# KiCad board TRS80_Model_I_Jap20_E1.kicad_pcb (continued)
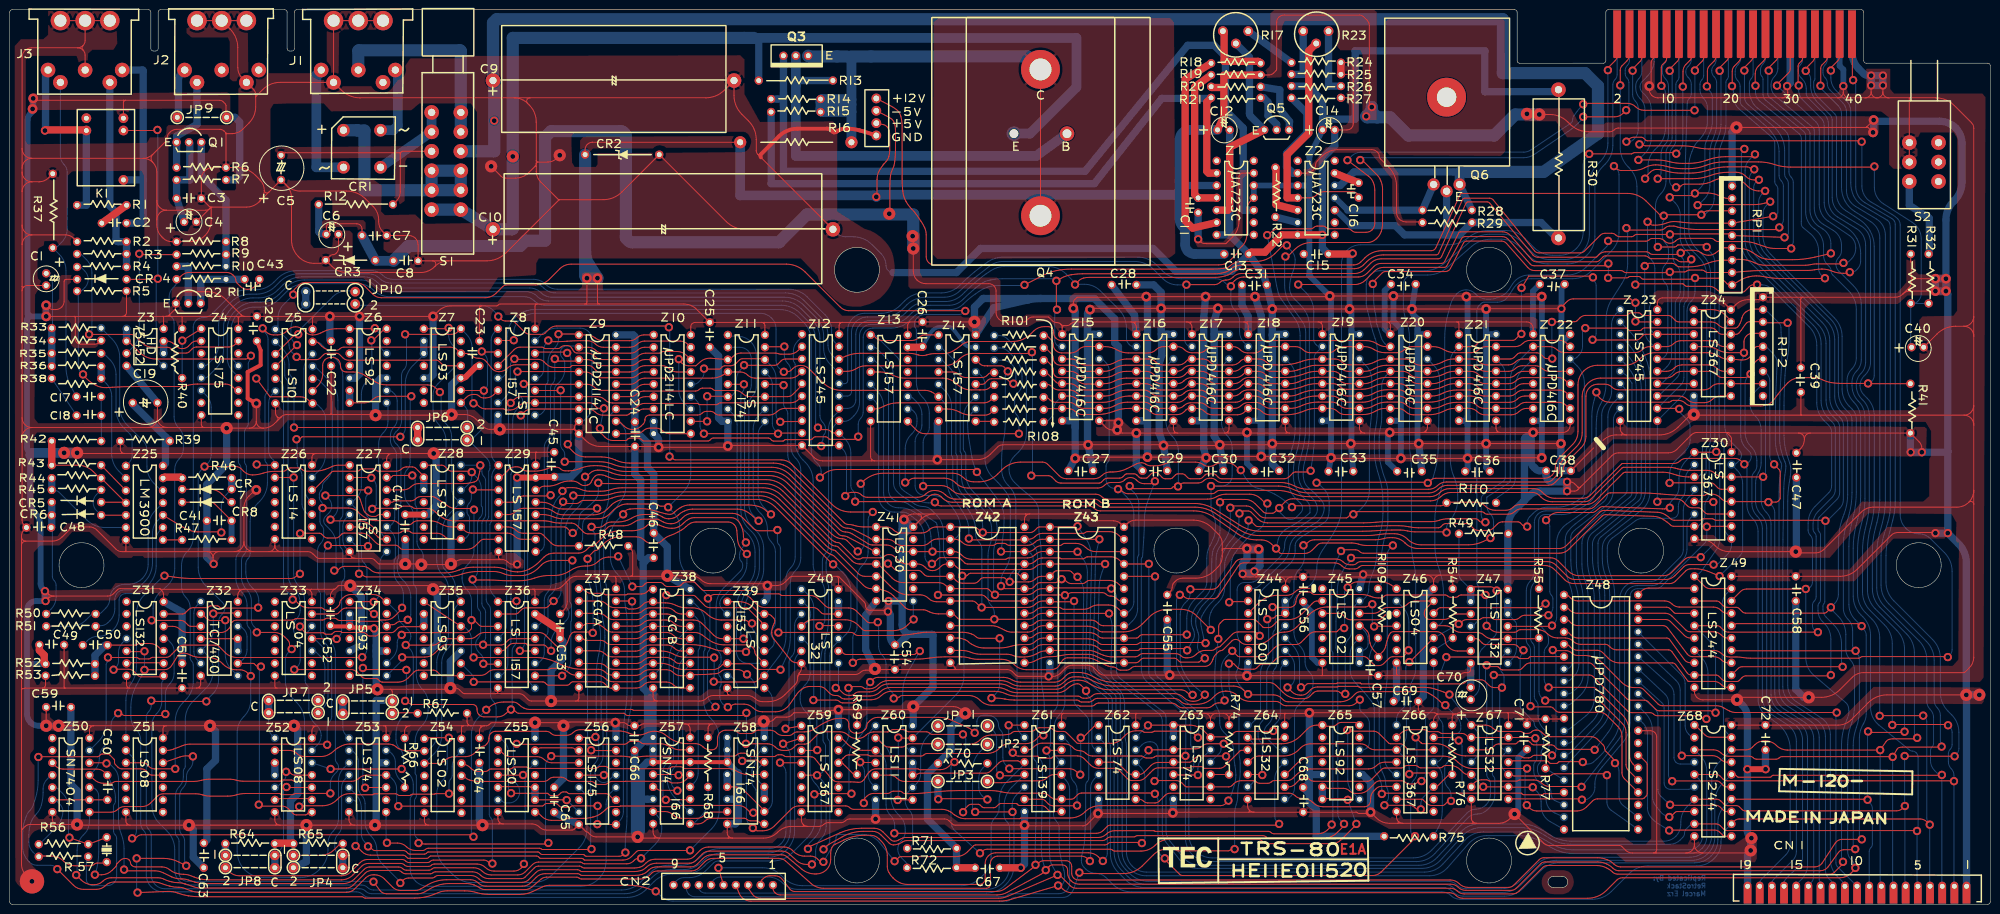
[diagram p0: board, top side]
## Routing (per net, layer and track width the routed paths; a pad name or vN(x,y) marks a point on that pad's centre or on a via; arc(x,y) is an arc through that point) (continued)
Net-(Z15-~{CAS}): length 115.1
  Top w0.2: 212.47,117.11 212.74,117.11 arc(212.98,117.06) 213.19,116.92 214.01,116.11 arc(214.34,115.62) 214.45,115.04 arc(214.56,114.47) 214.89,113.98 214.96,113.91 arc(215.52,113.54) 216.18,113.4 218.04,113.4 arc(218.9,113.58) 219.63,114.06 arc(220.36,114.55) 221.23,114.73 223.86,114.73 arc(223.87,114.72) 223.89,114.71 arc(223.9,114.7) 223.92,114.7 225.18,114.7 arc(226.39,114.54) 227.52,114.05 arc(228.64,113.57) 229.86,113.4 233.98,113.4 arc(234.83,113.57) 235.54,114.05 arc(236.26,114.53) 237.11,114.7 239.96,114.7 arc(240.73,114.55) 241.37,114.12 241.43,114.06 arc(242.13,113.6) 242.96,113.43 244.34,113.43 arc(245.17,113.6) 245.87,114.06 arc(246.57,114.53) 247.4,114.7 Z17.15 251.39,114.7 arc(252.16,114.55) 252.8,114.12 252.87,114.05 arc(253.59,113.57) 254.43,113.4 255.7,113.4 arc(256.54,113.57) 257.26,114.05 arc(257.98,114.53) 258.83,114.7 Z18.15 264.24,114.7 arc(265.06,114.54) 265.75,114.08 arc(266.43,113.62) 267.25,113.46 270.97,113.46 arc(271.79,113.62) 272.48,114.08 arc(273.17,114.54) 273.98,114.7 Z19.15 278.38,114.7 arc(279.36,114.56) 280.26,114.17 280.41,114.08 arc(281.47,113.61) 282.62,113.46 285.1,113.46 arc(285.91,113.62) 286.6,114.08 arc(287.29,114.54) 288.1,114.7 Z20.15 292.48,114.7 arc(293.58,114.55) 294.61,114.13 294.7,114.08 arc(295.82,113.61) 297.03,113.46 300.34,113.46 arc(301.15,113.62) 301.84,114.08 arc(302.53,114.54) 303.34,114.7 Z21.15 309.34,114.7 arc(310.19,114.87) 310.91,115.35 arc(311.62,115.83) 312.47,116 318.46,116 arc(319.31,115.83) 320.03,115.35 Z22.15
Net-(Z15-~{RAS}): length 147.1
  Top w0.2: Z15.4 217.98,109.62 arc(218.83,109.45) 219.54,108.97 arc(220.26,108.49) 221.11,108.32 224.8,108.32 arc(226.01,108.49) 227.14,108.97 arc(228.26,109.46) 229.48,109.62 Z16.4 233.54,109.62 arc(234.37,109.45) 235.07,108.98 arc(235.78,108.52) 236.61,108.35 240.02,108.35 arc(240.85,108.52) 241.55,108.98 241.92,109.35 arc(242.22,109.55) 242.57,109.62 Z17.4 244.9,109.62 arc(245.75,109.45) 246.47,108.97 arc(247.18,108.49) 248.03,108.32 251.86,108.32 arc(252.71,108.49) 253.43,108.97 253.92,109.47 arc(254.09,109.58) 254.29,109.62 Z18.4 256.5,109.62 arc(257.33,109.45) 258.04,108.98 arc(258.74,108.52) 259.57,108.35 262.02,108.35 arc(263.88,108.51) 265.68,108.99 266.38,109.24 arc(267.48,109.52) 268.6,109.62 Z19.4 271.89,109.62 arc(272.7,109.46) 273.39,109 arc(274.08,108.54) 274.89,108.38 277.79,108.38 arc(279.11,108.53) 280.35,109 280.6,109.13 arc(281.59,109.49) 282.64,109.62 Z20.4 286.26,109.62 arc(287.08,109.46) 287.77,109 arc(288.46,108.54) 289.27,108.38 291.77,108.38 arc(293.21,108.53) 294.57,109 295.04,109.22 arc(295.93,109.52) 296.86,109.62 Z21.4 300.25,109.62 arc(301.1,109.45) 301.81,108.97 arc(302.53,108.49) 303.38,108.32 307.97,108.32 arc(308.82,108.49) 309.54,108.97 arc(310.25,109.45) 311.1,109.62 Z22.4
  Bottom w0.2: R109.1 281.49,65.23 arc(281.73,65.59) 281.81,66 281.81,70.03 arc(281.89,71.77) 282.13,73.49 282.2,73.9 arc(282.48,75.19) 282.83,76.47 arc(283.11,77.76) 283.21,79.07 283.21,84.63 arc(283.08,85.97) 282.71,87.27 arc(282.25,88.56) 281.88,89.88 281.82,90.13 arc(281.53,91.72) 281.43,93.34 281.43,96 arc(281.49,97.04) 281.68,98.06 arc(281.87,99.09) 281.94,100.13 281.94,106.58 arc(282.17,107.75) 282.83,108.73 Z20.4
Net-(Z15-~{WR}): length 133.6
  Top w0.2: Z22.3 310.89,112.16 arc(310.1,112) 309.42,111.55 arc(308.75,111.1) 307.95,110.94 303.53,110.94 arc(302.73,111.1) 302.05,111.55 arc(301.38,112) 300.58,112.16 Z21.3 296.73,112.16 arc(295.68,112.04) 294.69,111.67 294.38,111.51 arc(293.07,111.03) 291.69,110.86 289.92,110.86 arc(289.07,111.03) 288.35,111.51 arc(287.63,111.99) 286.79,112.16 Z20.3 282.7,112.16 arc(281.71,112.04) 280.78,111.69 280.54,111.56 arc(279.36,111.12) 278.11,110.97 275.19,110.97 arc(274.41,111.12) 273.75,111.56 arc(273.09,112) 272.31,112.16 Z19.3 268.35,112.16 arc(266.97,112.05) 265.63,111.71 265.17,111.55 arc(263.37,111.09) 261.52,110.94 259.66,110.94 arc(258.86,111.1) 258.19,111.55 arc(257.51,112) 256.72,112.16 Z18.3 253.92,112.16 arc(253.38,112.05) 252.92,111.75 252.72,111.54 arc(252.03,111.08) 251.21,110.92 248.15,110.92 arc(247.33,111.08) 246.64,111.54 arc(245.96,112) 245.14,112.16 Z17.3 242.59,112.16 arc(242.26,112.09) 241.99,111.91 241.62,111.54 arc(240.93,111.08) 240.11,110.92 237.02,110.92 arc(236.21,111.08) 235.52,111.54 arc(234.83,112) 234.02,112.16 Z16.3 229.6,112.16 arc(228.39,112) 227.26,111.53 arc(226.14,111.05) 224.93,110.89 221.16,110.89 arc(220.34,111.06) 219.63,111.53 arc(218.93,111.99) 218.1,112.16 Z15.3
  Bottom w0.2: Z22.3 310.96,110.07 arc(309.78,108.31) 309.37,106.22 309.37,87.4 arc(309.12,86.38) 308.43,85.59 305.8,83.72 arc(305.53,83.41) 305.43,83.01 R110.1
Net-(Z25A-+): length 26
  Bottom w0.2: Z25.1 24.51,90.82 arc(24.98,91.53) 25.14,92.36 25.14,95.65 arc(25.03,96.24) 24.7,96.73 23.44,97.99 arc(22.26,99.76) 21.84,101.84 21.84,108.97 arc(21.51,110.63) 20.57,112.03 19.48,113.12 arc(19.28,113.26) 19.05,113.3 R35.2
Net-(Z25A--): length 20.6
  Bottom w0.2: Z25.6 19.65,77.49 arc(17.57,77.9) 15.8,79.08 10.14,84.75 arc(9.74,85.02) 9.27,85.11 8.85,85.11 arc(8.77,85.13) 8.7,85.17
  Bottom w1.5: R44.2 8.63,85.33 arc(8.65,85.24) 8.7,85.17
Net-(Z25B-+): length 24.7
  Bottom w0.2: R38.2 19.87,107.08 arc(20.67,105.88) 20.95,104.47 20.95,92.64 arc(21.33,90.73) 22.41,89.11 Z25.2
  Bottom w1.5: R38.2 R36.1
Net-(Z25B--): length 7.3
  Top w0.2: R43.2 Z25.3
Net-(Z25C-+): length 4.1
  Top w1.5: Z25.13 31.6,87.75 arc(31.71,87.83) 31.84,87.85 35.08,87.85 arc(35.22,87.83) 35.33,87.75 35.43,87.65
Net-(Z25C--): length 3.9
  Top w0.2: Z25.8 35.43,74.95
Net-(Z25D-+): length 38.1
  Bottom w0.2: Z25.12 31.3,85.11 arc(31.13,85.14) 30.98,85.24 29.65,86.57 arc(28.57,88.19) 28.19,90.1 28.19,93.44 arc(28,94.43) 27.44,95.26 24.2,98.5 arc(23.02,100.27) 22.6,102.35 22.6,112.45 arc(22.19,114.53) 21.01,116.29 R33.2
Net-(Z25D--): length 41.3
  Bottom w0.2: R51.1 12.55,57.17 arc(14.21,57.5) 15.62,58.44 16.62,59.44 arc(16.92,59.64) 17.27,59.71 18.1,59.71 arc(18.51,59.79) 18.85,60.02 19.76,60.93 arc(20.36,61.83) 20.57,62.88 arc(20.78,63.94) 21.38,64.84 21.46,64.92 arc(22.45,65.57) 23.61,65.81 24.33,65.81 arc(25.9,66.12) 27.24,67.01 arc(28.13,68.35) 28.45,69.92 28.45,77.37 arc(28.84,79.36) 29.97,81.04 Z25.11
Net-(Z25E-V+): length 18
  Bottom w1.5: 31.75,90.44 Z25.14 32,90.69 32,96 32.08,96.08 ; 32.08,96.08 R39.1 ; 32.08,96.08 25.27,102.89 C19.2 ; 32.8,95.18 arc(32.87,95.28) 32.89,95.4 arc(32.87,95.51) 32.8,95.61
Net-(Z26-Pad1): length 19.9
  Top w0.2: v2(50.75,90.47) 50.82,90.39 arc(50.91,90.34) 51.01,90.32 Z26.1
  Bottom w0.2: Z5.6 53.91,104.86 arc(53.39,104.08) 53.21,103.17 53.21,93.25 arc(53.38,92.42) 53.85,91.71 54.21,91.35 arc(54.41,91.05) 54.48,90.7 Z26.1
Net-(Z26-Pad11): length 31.6
  Bottom w0.2: Z5.12 61.34,112.29 arc(60.68,111.3) 60.45,110.14 60.45,89.99 arc(60.48,89.82) 60.58,89.68 arc(60.67,89.54) 60.7,89.37 60.7,85.08 arc(60.89,84.17) 61.4,83.39 Z26.11
Net-(Z26-Pad13): length 31.5
  Top w0.2: Z5.8 62.14,103.02 arc(62.06,103.03) 61.99,103.08 61.36,103.7 arc(60.6,104.21) 59.71,104.39 53.51,104.39 arc(53.49,104.39) 53.48,104.4 arc(53.47,104.41) 53.45,104.43 v2(50.67,108.15)
  Bottom w0.2: Z26.13 63.5,89.17 arc(64.53,90.72) 64.9,92.55 64.9,99.76 arc(64.65,101.01) 63.94,102.06 63.26,102.75 arc(62.96,102.95) 62.61,103.02 Z5.8
Net-(Z27-I0c): length 100.8
  Top w0.2: Z31.12 33.49,57.17 arc(34.32,57) 35.02,56.53 arc(35.73,56.06) 36.56,55.9 43.41,55.9 arc(44.16,56.05) 44.79,56.47 45.12,56.8 arc(45.3,57.07) 45.36,57.38 arc(45.43,57.7) 45.6,57.97 45.72,58.08 arc(46.11,58.35) 46.58,58.44 58.1,58.44 arc(58.3,58.48) 58.47,58.59 arc(58.64,58.7) 58.84,58.74 60.53,58.74 arc(60.71,58.71) 60.87,58.6 arc(61.02,58.5) 61.21,58.46 64.3,58.46 arc(64.54,58.51) 64.76,58.65 arc(64.97,58.8) 65.22,58.85 66.69,58.85 arc(67,58.78) 67.27,58.6 arc(67.54,58.43) 67.85,58.36 71.26,58.36 arc(71.36,58.34) 71.45,58.29 arc(71.53,58.23) 71.63,58.21 75.66,58.21 arc(75.83,58.24) 75.97,58.34 arc(76.11,58.43) 76.28,58.46 77.2,58.46 arc(78.22,58.67) 79.09,59.25 80.55,60.7 arc(80.6,60.78) 80.62,60.88 v2(80.62,60.98)
  Bottom w0.2: v2(80.62,60.98) 80.76,61.12 arc(80.86,61.27) 80.9,61.46 80.9,63.7 arc(80.65,64.94) 79.94,66 arc(79.24,67.05) 78.99,68.3 78.99,70.58 arc(79.03,70.74) 79.12,70.88 arc(79.21,71.03) 79.25,71.19 79.25,74.58 arc(79.01,75.74) 78.36,76.73 77.65,77.44 arc(77.62,77.55) 77.72,77.62 arc(77.96,77.66) 78.16,77.8 78.55,78.19 arc(78.97,78.82) 79.12,79.57 79.12,81.79 arc(79.17,82.04) 79.31,82.25 arc(79.45,82.46) 79.5,82.71 79.5,92.34 arc(79.33,93.17) 78.87,93.87 arc(78.4,94.58) 78.23,95.41 78.23,96.44 arc(78.41,97.35) 78.93,98.13 arc(79.45,98.9) 79.63,99.81 79.63,103.51 arc(79.46,104.34) 78.99,105.05 78.67,105.37 arc(78.32,105.6) 77.91,105.68 Z6.9
Net-(Z27-I1b): length 37.6
  Top w0.2: Z27.10 76.81,75.08 arc(76.2,75.2) 75.68,75.54 74.88,76.35 arc(73.47,77.29) 71.81,77.62 Z27.6
  Bottom w0.2: Z6.8 77.59,103.02 arc(77.69,102.88) 77.72,102.71 77.72,99.28 arc(77.47,98.04) 76.77,96.98 arc(76.06,95.93) 75.82,94.68 75.82,89.06 arc(75.87,88.81) 76.01,88.6 arc(76.15,88.39) 76.2,88.14 76.2,77.24 arc(76.36,76.41) 76.83,75.71 Z27.10
Net-(Z28-R0(1)): length 28.6
  Top w0.2: Z28.2 85.09,87.9 arc(85.06,88.02) 85,88.12 83.43,89.68 arc(83.13,89.89) 82.77,89.96 81.55,89.96 arc(80.97,89.84) 80.48,89.52 arc(79.99,89.19) 79.4,89.07 75.83,89.07 arc(75.51,89.13) 75.25,89.31 arc(74.98,89.49) 74.66,89.55 72.5,89.55 arc(72.19,89.49) 71.92,89.31 arc(71.65,89.13) 71.34,89.07 66.59,89.07 arc(66.34,89.02) 66.12,88.88 62.62,85.37 arc(62.47,85.27) 62.29,85.24 Z26.12
  Bottom w1.5: Z28.2 Z28.3
Net-(Z29-I1b): length 40.1
  Top w0.2: Z29.6 102.41,77.62 arc(103.26,77.45) 103.97,76.97 arc(104.69,76.49) 105.54,76.32 108.74,76.32 arc(109.21,76.23) 109.6,75.97 111.26,74.31 arc(111.9,73.88) 112.65,73.73 116.88,73.73 arc(116.91,73.72) 116.94,73.7 R48.2 ; v2(120.7,81.43) 120.64,81.36 arc(120.56,81.32) 120.48,81.3 113.71,81.3 arc(112.58,81.48) 111.55,82 arc(110.53,82.52) 109.4,82.7 Z29.13
  Bottom w0.2: R48.2 116.97,73.81 arc(116.99,73.92) 117.05,74.02 117.35,74.31 arc(117.63,74.74) 117.73,75.23 117.73,77.79 arc(117.76,78.25) 117.85,78.7 arc(118.05,79.09) 118.36,79.4 119.72,80.35 arc(120.06,80.62) 120.39,80.91 120.63,81.15 arc(120.68,81.23) 120.7,81.32 v2(120.7,81.43)
Net-(Z31-Pad4): length 211.6
  Top w0.2: Z31.8 31.48,46.87 arc(31.38,46.8) 31.27,46.78 27.02,46.78 arc(26.67,46.85) 26.38,47.05 25.59,47.83 arc(25.01,48.22) 24.33,48.36 21.51,48.36 arc(21.44,48.34) 21.38,48.3 v2(21.33,48.25) ; Z59.4 158.33,29.1 arc(158.32,29.11) 158.3,29.11 v2(158.29,29.13)
  Bottom w0.2: v2(158.29,29.13) 158.9,28.52 arc(159.35,27.84) 159.51,27.05 159.51,14.92 arc(159.25,13.59) 158.49,12.47 arc(157.37,11.71) 156.04,11.45 145.89,11.45 arc(143.81,11.03) 142.04,9.86 141.8,9.61 arc(140.03,8.43) 137.95,8.02 135.35,8.02 arc(133.27,7.61) 131.5,6.43 129.61,4.53 arc(127.84,3.35) 125.76,2.94 74.76,2.94 arc(74.09,3.07) 73.53,3.45 arc(72.97,3.82) 72.3,3.96 36.94,3.96 arc(35.78,4.19) 34.8,4.84 arc(34.14,5.83) 33.91,6.99 33.91,11.23 arc(33.49,13.31) 32.31,15.07 30.8,16.59 arc(29.62,18.35) 29.21,20.43 29.21,36.81 arc(29.47,38.14) 30.22,39.26 arc(30.98,40.39) 31.24,41.71 31.24,45.47 arc(31.29,45.72) 31.43,45.93 arc(31.57,46.14) 31.62,46.39 Z31.8 ; v2(21.33,48.25) 21.84,48.76 arc(22.22,49.32) 22.35,49.99 22.35,51.81 arc(22.56,52.89) 23.18,53.8 Z31.4
Net-(Z31-Pad6): length 7.7
  Top w0.2: Z31.6 24.5,49.55 arc(24.58,49.57) 24.65,49.61 arc(24.72,49.66) 24.8,49.68 31.4,49.68 arc(31.49,49.66) 31.56,49.61 Z31.9
Net-(Z32-Pad1): length 13.7
  Bottom w0.2: Z32.6 38.54,50.25 arc(38.03,51.02) 37.84,51.93 37.84,59.86 arc(38.03,60.78) 38.54,61.55 Z32.1
Net-(Z32-Pad2): length 17.9
  Top w0.2: v2(44.3,58.44) 44.26,58.4 arc(44.22,58.37) 44.17,58.36 41.44,58.36 arc(40.91,58.47) 40.46,58.77 39.62,59.61 arc(39.51,59.68) 39.38,59.71 Z32.2
  Bottom w0.2: v2(44.3,58.44) 44.3,51.39 arc(44.63,49.71) 45.58,48.29 Z32.8
Net-(Z32-Pad10): length 10.2
  Top w0.2: Z32.4 Z32.11
  Bottom w1.5: Z32.11 Z32.10
Net-(Z32-Pad12): length 54.8
  Top w0.2: Z52.8 61.77,18.94 arc(61.54,18.9) 61.34,18.76 61.06,18.48 arc(60.95,18.41) 60.81,18.38 58.9,18.38 arc(58.55,18.45) 58.25,18.65 57.24,19.67 arc(56.66,20.05) 55.98,20.19 51.7,20.19 arc(51.5,20.23) 51.33,20.34 v2(51.18,20.49) ; Z32.9 50.06,49.55 arc(50.15,49.53) 50.24,49.47 50.57,49.14 arc(50.85,48.95) 51.18,48.89 v2(51.61,48.89)
  Bottom w0.2: Z32.12 47.18,57.17 arc(47.47,57.11) 47.72,56.94 48.13,56.53 arc(48.6,55.83) 48.77,55 48.77,52.37 arc(48.55,51.29) 47.94,50.37 47.2,49.64 arc(47.11,49.57) 46.99,49.55 Z32.9 ; v2(51.18,20.49) 51.24,20.55 arc(51.29,20.63) 51.31,20.71 51.31,48.37 arc(51.35,48.57) 51.46,48.74 v2(51.61,48.89)
Net-(Z33-Pad12): length 27.6
  Bottom w0.2: Z33.12 62.1,57.04 arc(62.08,56.92) 62.01,56.83 61.4,56.22 arc(60.89,55.44) 60.7,54.53 60.7,46.02 arc(60.8,45.53) 61.09,45.1 arc(61.37,44.68) 61.47,44.18 61.47,40.17 arc(61.8,38.51) 62.74,37.1 63.2,36.64 arc(63.8,35.75) 64.01,34.69 arc(63.8,33.63) 63.2,32.74 Z52.13
Net-(Z35-R0(1)): length 65.3
  Top w0.2: Z35.3 85.05,57.13 arc(85.01,57.1) 84.96,57.09 80.48,57.09 arc(80.07,57.01) 79.72,56.78 79.11,56.17 arc(78.78,55.95) 78.4,55.87 76.32,55.87 arc(76.14,55.84) 75.98,55.73 75.64,55.39 arc(75.41,55.24) 75.15,55.19 73.92,55.19 arc(73.7,55.23) 73.52,55.35 73.16,55.71 arc(72.95,55.85) 72.7,55.9 68.3,55.9 arc(68.25,55.91) 68.21,55.94 68.1,56.05 arc(68.01,56.11) 67.91,56.13 67.1,56.13 arc(66.8,56.07) 66.55,55.9 66.25,55.61 arc(66.18,55.56) 66.1,55.54 64.94,55.54 arc(64.83,55.57) 64.73,55.63 64.58,55.78 arc(64.51,55.83) 64.42,55.85 61.1,55.85 arc(60.8,55.91) 60.55,56.08 59.68,56.95 arc(59.65,57) 59.64,57.05 v2(59.64,57.12) ; v2(58.34,87.8) 58.33,87.79 arc(58.32,87.78) 58.3,87.78 Z26.2
  Bottom w0.2: v2(59.64,57.12) 60.11,57.59 arc(60.45,58.11) 60.58,58.72 60.58,62.7 arc(60.29,64.16) 59.46,65.4 arc(58.63,66.64) 58.34,68.1 v2(58.34,87.8)
  Bottom w1.5: Z35.2 Z35.3
Net-(Z37-D0): length 45.1
  Top w0.2: 124.58,49.68 124.66,49.6 arc(124.75,49.54) 124.85,49.52 128.68,49.52 arc(129.51,49.69) 130.21,50.16 arc(130.91,50.63) 131.74,50.79 134.69,50.79 arc(135.36,50.7) 135.97,50.44 136.23,50.29 arc(136.55,50.08) 136.83,49.82 arc(137.14,49.62) 137.49,49.55 Z38.12 ; v2(137.46,26.56) 137.4,26.63 arc(137.33,26.67) 137.25,26.69 132.2,26.69
  Bottom w0.2: Z38.12 139.82,49.42 arc(139.8,49.3) 139.74,49.21 139.06,48.53 arc(138.5,47.69) 138.3,46.69 138.3,27.99 arc(138.19,27.45) 137.88,26.98 v2(137.46,26.56)
Net-(Z37-D1): length 51.7
  Top w0.2: v2(137.21,23.36) 137.17,23.4 arc(137.13,23.43) 137.08,23.44 133.8,23.44 arc(133.34,23.53) 132.94,23.79 132.72,24.01 arc(132.57,24.11) 132.4,24.15 Z57.5 ; 124.58,52.22 124.66,52.14 arc(124.75,52.08) 124.85,52.06 128.56,52.06 arc(129.39,52.23) 130.1,52.7 arc(130.8,53.17) 131.63,53.33 135.03,53.33 arc(135.85,53.17) 136.54,52.71 arc(137.22,52.25) 138.04,52.09 Z38.13
  Bottom w0.2: v2(137.21,23.36) 137.13,23.36 arc(137.06,23.38) 137,23.42 136.47,23.95 arc(136.04,24.59) 135.89,25.36 135.89,26.37 arc(136.09,27.37) 136.65,28.21 arc(137.21,29.06) 137.41,30.05 137.41,47.84 arc(137.73,49.42) 138.62,50.76 139.78,51.92 arc(139.81,51.97) 139.82,52.03 Z38.13
Net-(Z37-D2): length 54.9
  Top w0.2: Z38.14 138.02,54.63 arc(137.18,54.8) 136.46,55.28 arc(135.74,55.76) 134.9,55.92 131.62,55.92 arc(130.78,55.76) 130.06,55.28 arc(129.34,54.8) 128.5,54.63 124.8,54.63 arc(124.72,54.65) 124.65,54.69 124.58,54.76
  Bottom w0.2: 139.82,19.07 139.7,19.07 arc(139.58,19.09) 139.48,19.16 136.7,21.94 arc(135.53,23.68) 135.13,25.74 135.13,27.06 arc(135.29,27.89) 135.76,28.59 arc(136.23,29.3) 136.4,30.13 136.4,48.69 arc(136.81,50.77) 137.99,52.54 139.74,54.29 arc(139.8,54.38) 139.82,54.5 Z38.14
Net-(Z37-D3): length 58.8
  Top w0.2: 124.58,57.3 124.62,57.26 arc(124.67,57.23) 124.72,57.22 128.66,57.22 arc(129.47,57.38) 130.16,57.84 arc(130.85,58.3) 131.66,58.46 134.95,58.46 arc(135.79,58.3) 136.51,57.82 arc(137.23,57.34) 138.07,57.17 Z38.15 ; v2(134.82,21.48) 134.83,21.49 arc(134.85,21.5) 134.86,21.51 139.65,21.51 arc(139.72,21.52) 139.77,21.56 Z57.11
  Bottom w0.2: Z38.15 139.82,57.11 arc(139.81,57.05) 139.78,57 137.1,54.32 arc(135.92,52.55) 135.51,50.47 135.51,30.38 arc(135.34,29.55) 134.87,28.85 arc(134.4,28.14) 134.24,27.31 134.24,22.48 arc(134.31,22.1) 134.53,21.77 v2(134.82,21.48)
Net-(Z37-D4): length 53.1
  Top w0.2: 124.58,59.84 128.78,59.84 arc(129.53,59.98) 130.16,60.41 arc(130.79,60.83) 131.54,60.98 135.02,60.98 arc(135.85,60.81) 136.55,60.34 arc(137.25,59.87) 138.08,59.71 Z38.16
  Bottom w0.2: Z57.12 140.65,24.97 arc(141.26,25.89) 141.48,26.97 141.48,52.07 arc(141.53,52.32) 141.67,52.53 arc(141.81,52.74) 141.86,52.99 141.86,57.11 arc(141.66,58.1) 141.09,58.95 140.51,59.53 arc(140.31,59.66) 140.08,59.71 Z38.16
Net-(Z39-Za): length 32.5
  Top w0.2: v2(150.52,29.48) 150.61,29.57 arc(150.71,29.64) 150.82,29.66 153.47,29.66 arc(153.61,29.63) 153.72,29.56 153.93,29.34 arc(154.06,29.26) 154.21,29.23 Z58.14
  Bottom w0.2: v2(150.52,29.48) 150.52,29.6 arc(150.5,29.7) 150.44,29.79 150.06,30.17 arc(149.72,30.68) 149.6,31.27 149.6,44.41 arc(149.41,45.4) 148.84,46.25 148.3,46.78 arc(148.06,46.95) 147.76,47.01 Z39.7 ; Z58.12 154.04,25.17 arc(153.58,25.87) 153.41,26.69 arc(153.58,27.51) 154.04,28.21 Z58.14
  Bottom w1.5: Z58.12 Z58.11
Net-(Z39-Zb): length 39.1
  Top w0.2: Z58.5 148.82,24.15 arc(150.08,23.9) 151.16,23.18 154.99,19.34 arc(155.05,19.26) 155.06,19.17 155.06,19.07
  Bottom w0.2: 155.06,19.07 155.26,19.07 arc(155.43,19.1) 155.58,19.2 156.08,19.7 arc(156.55,20.41) 156.72,21.24 156.72,42.08 arc(156.53,43) 156.02,43.77 155.41,44.38 arc(155.31,44.45) 155.19,44.47 Z39.9
  Bottom w1.5: 147.44,26.69 Z58.5
Net-(Z40-Pad2): length 35.6
  Top w0.2: Z40.4 163.36,57.84 arc(164.1,58.34) 164.98,58.52 171.67,58.52 arc(173.13,58.22) 174.37,57.4 175.2,56.57 arc(175.52,56.36) 175.9,56.28 181.53,56.28 arc(182.36,56.35) 183.16,56.57 arc(183.9,56.94) 184.54,57.46 185.65,58.56 arc(185.67,58.58) 185.71,58.59 v2(185.75,58.59)
  Bottom w0.2: v2(185.75,58.59) 185.71,58.63 arc(185.68,58.67) 185.67,58.72 Z41.8 ; Z40.4 162.88,57.17 arc(163.05,57.2) 163.2,57.3 163.92,58.02 arc(164.41,58.77) 164.59,59.65 arc(164.41,60.53) 163.92,61.27 163.03,62.16 arc(162.93,62.23) 162.81,62.25 162.69,62.25
Net-(Z40-Pad9): length 39.5
  Top w0.2: Z40.9 170.71,52.09 arc(170.83,52.07) 170.93,52 171.28,51.64 arc(171.58,51.45) 171.93,51.38 185.82,51.38 arc(185.99,51.41) 186.13,51.5 186.61,51.98 arc(186.72,52.06) 186.87,52.09 v2(187.02,52.09)
  Bottom w0.2: 185.54,31.64 185.23,31.64 arc(184.93,31.7) 184.69,31.87 184.53,32.02 arc(184.25,32.45) 184.15,32.94 184.15,35 arc(184.07,35.42) 183.83,35.77 arc(183.6,36.12) 183.51,36.54 183.51,43.56 arc(183.8,45.79) 184.64,47.87 v2(187.02,52.09)
Net-(Z44-Pad3): length 28.1
  Top w0.2: 267.21,64.99 265.89,64.99 arc(264.95,64.8) 264.15,64.27 arc(263.34,63.73) 262.4,63.54 260.47,63.54 arc(258.39,63.13) 256.62,61.95 Z44.3 ; Z45.3 273.36,59.84 arc(273.61,59.79) 273.82,59.65 274.48,58.99 arc(275,58.64) 275.62,58.52 281.12,58.52 arc(281.62,58.61) 282.04,58.9 282.68,59.53
Net-(Z44-Pad11): length 29.2
  Bottom w0.2: Z44.11 261.24,56.41 arc(260.58,55.42) 260.35,54.26 260.35,49.33 arc(260.25,48.83) 259.97,48.41 arc(259.69,47.98) 259.59,47.49 259.59,39.25 arc(259.35,38.09) 258.7,37.1 258.35,36.75 arc(257.95,36.16) 257.81,35.45 arc(257.95,34.75) 258.35,34.15 260.28,32.22 arc(260.78,31.89) 261.36,31.77 Z64.12
Net-(Z45-Pad12): length 29.8
  Top w0.2: Z47.3 297.46,59.71 arc(296.73,59.56) 296.11,59.15 arc(295.49,58.74) 294.76,58.59 291.83,58.59 arc(291.4,58.68) 291.03,58.92 arc(290.79,59.29) 290.7,59.72 290.7,59.86 arc(290.81,60.42) 291.13,60.9 Z46.13 288.79,62.38 arc(287.93,62.2) 287.2,61.72 arc(286.46,61.23) 285.6,61.06 283.18,61.06 arc(282.38,60.9) 281.71,60.45 arc(281.03,59.99) 280.24,59.84 Z45.12
Net-(Z46-Pad2): length 370.6
  Top w0.2: v2(219.81,6.52) 219.91,6.42 arc(220.02,6.34) 220.16,6.32 228.91,6.32 arc(230.99,6.73) 232.76,7.91 235.03,10.18 arc(236.32,11.04) 237.84,11.35 239.24,11.35 arc(239.48,11.3) 239.67,11.17 arc(239.87,11.04) 240.1,10.99 250.39,10.99 arc(250.63,11.04) 250.82,11.17 arc(251.02,11.3) 251.25,11.35 v2(251.71,11.35) ; v2(26.08,9.44) 31.59,9.44 arc(33.23,9.25) 34.77,8.68 v2(36.27,7.92) ; v2(37.64,30.42) 36.74,30.51 arc(35.85,30.5) 34.98,30.31 Z51.12 ; 132.15,2.66 v2(132.76,2.66) 130.97,3.28 arc(129.16,3.75) 127.29,3.91 110.96,3.91 arc(110.18,3.82) 109.43,3.56 107.44,2.62 arc(106.16,2.18) 104.82,2.03 98.51,2.03 arc(97.24,2.12) 96,2.39 arc(94.75,2.67) 93.48,2.76 89.89,2.76 arc(88.99,2.68) 88.12,2.42 87.09,2.01 arc(85.18,1.45) 83.19,1.26 73.07,1.26 arc(72.89,1.3) 72.73,1.4 arc(72.58,1.51) 72.39,1.54 39.19,1.54 arc(37.97,1.59) 36.76,1.73 36.63,1.75 arc(35.57,1.98) 34.54,2.31 arc(33.51,2.58) 32.44,2.64 v2(26.26,2.41) ; v2(250.54,49.5) 251.44,49.5 arc(251.5,49.48) 251.56,49.45 252.32,48.69 arc(252.69,48.44) 253.12,48.36 255.61,48.36 arc(255.97,48.43) 256.28,48.63 256.82,49.17 arc(257.1,49.36) 257.43,49.42 258.86,49.42 arc(259.15,49.48) 259.41,49.65 260.18,50.43 arc(260.79,50.83) 261.5,50.97 278.14,50.97 arc(278.62,50.88) 279.03,50.6 280.47,49.16 arc(280.55,49.11) 280.64,49.09 281.34,49.09 arc(281.89,49.2) 282.36,49.51 283.44,50.59 arc(283.8,50.83) 284.23,50.92 285.99,50.92 arc(286.31,50.98) 286.57,51.16 287.38,51.97 arc(287.43,52.05) 287.45,52.14 v2(287.45,52.24)
  Bottom w0.2: v2(132.76,2.66) 132.81,2.66 arc(132.86,2.65) 132.9,2.62 133.87,1.66 arc(134.98,0.91) 136.29,0.65 204.82,0.65 arc(205.32,0.75) 205.74,1.03 arc(206.16,1.32) 206.66,1.42 216.49,1.42 arc(217.23,1.56) 217.87,1.99 arc(218.36,2.61) 218.7,3.32 v2(219.81,6.52) ; v2(37.64,30.42) 37.64,29.45 arc(37.47,28.59) 36.98,27.86 arc(36.49,27.13) 36.32,26.26 36.32,25.64 arc(36.14,24.73) 35.62,23.96 arc(35.1,23.18) 34.92,22.27 34.92,15.47 arc(35.06,14.81) 35.43,14.24 arc(35.81,13.68) 35.94,13.02 35.94,8.48 arc(35.98,8.27) 36.1,8.08 v2(36.27,7.92) ; v2(26.26,2.41) 26.17,2.5 arc(26.11,2.59) 26.08,2.71 v2(26.08,9.44) ; v2(287.45,52.24) 287.49,52.28 arc(287.52,52.32) 287.53,52.37 287.53,58.04 arc(287.2,59.7) 286.26,61.11 Z46.2 ; v2(251.71,11.35) 251.71,18.63 arc(251.79,19.56) 252.03,20.47 arc(252.27,21.37) 252.35,22.3 252.35,22.6 arc(252.41,23.76) 252.6,24.91 arc(252.79,26.06) 252.85,27.22 252.85,29.02 arc(252.82,29.61) 252.73,30.18 arc(252.63,30.76) 252.6,31.34 252.6,39.2 arc(252.45,40.36) 252,41.45 251.44,42.42 arc(251.39,42.5) 251.33,42.56 arc(251.27,42.63) 251.23,42.71 250.91,43.48 arc(250.63,44.36) 250.54,45.27 v2(250.54,49.5)
Net-(Z47-Pad12): length 14
  Bottom w0.2: Z47.8 308.74,50.44 arc(309.39,51.42) 309.62,52.58 309.62,57.54 arc(309.55,57.9) 309.35,58.21 Z47.12
  Bottom w1.5: Z47.12 307.85,62.25
Net-(Z48-~{HALT}): length 48.2
  Top w0.2: v2(311.07,52.27) 310.88,52.27 arc(310.71,52.3) 310.56,52.4 309.85,53.1 arc(309.51,53.33) 309.12,53.41 303.4,53.41 arc(302.96,53.5) 302.58,53.75 301.97,54.36 arc(301.67,54.56) 301.32,54.63 300.23,54.63
  Bottom w0.2: v2(311.07,52.27) 311.07,52.01 arc(311.03,51.78) 310.89,51.58 310.73,51.42 arc(310.48,51.04) 310.39,50.59 310.39,40.72 arc(310.44,40.43) 310.61,40.18 313.04,37.75 arc(313.24,37.45) 313.31,37.1 arc(313.38,36.75) 313.58,36.45 314.27,35.76 arc(314.97,34.72) 315.21,33.48 315.21,32.51 arc(315.15,32.18) 314.96,31.9 arc(314.77,31.61) 314.7,31.28 314.7,29.89 arc(314.6,29.4) 314.32,28.97 arc(314.04,28.55) 313.94,28.06 313.94,27.71 arc(314.11,26.88) 314.57,26.19 315.93,24.83 arc(316.53,23.93) 316.74,22.88 316.74,22.69 arc(316.75,22.5) 316.8,22.32 316.9,22.03 arc(317.13,21.62) 317.51,21.34 Z48.18
Net-(Z48-~{IORQ}): length 66.5
  Top w0.2: Z64.9 262.78,24.15 arc(263.51,24.3) 264.14,24.71 264.99,25.56 arc(265.5,25.91) 266.11,26.03 266.26,26.03 arc(266.73,25.93) 267.14,25.66 arc(267.54,25.39) 268.02,25.3 279,25.3 arc(279.42,25.38) 279.78,25.62 281.85,27.7 arc(282.23,27.95) 282.67,28.04 285.92,28.04 arc(286.25,28.1) 286.54,28.29 arc(286.82,28.48) 287.15,28.54 288.84,28.54 arc(289.15,28.48) 289.42,28.3 arc(289.69,28.12) 290,28.06 293.92,28.06 arc(294.23,28.12) 294.5,28.3 arc(294.77,28.48) 295.08,28.54 296,28.54 arc(297.16,28.31) 298.14,27.65 298.67,27.13 arc(299.16,26.8) 299.73,26.69 300.35,26.69 ; v2(312.98,24.07) 308.48,24.07 arc(308.43,24.08) 308.39,24.11 arc(308.35,24.14) 308.3,24.15 Z67.9 302.83,24.15 arc(302.82,24.15) 302.8,24.16 v2(302.79,24.17)
  Bottom w0.2: Z48.20 316.57,16.99 arc(315.2,18.34) 314.7,20.2 314.7,21.12 arc(314.48,22.25) 313.84,23.21 v2(312.98,24.07) ; v2(302.79,24.17) 300.35,26.69
